# Altium PCB touch-2ch-v4.PcbDoc (part 1 of 8)
Units mm, origin at the board's own origin, x right, y up, seen from the top; angles counter-clockwise.
Board outline 39.88 x 84.36 mm, 2 copper layers (Top Layer, Bottom Layer); 1029 components, 40 nets, 2604 pads, 0 vias.
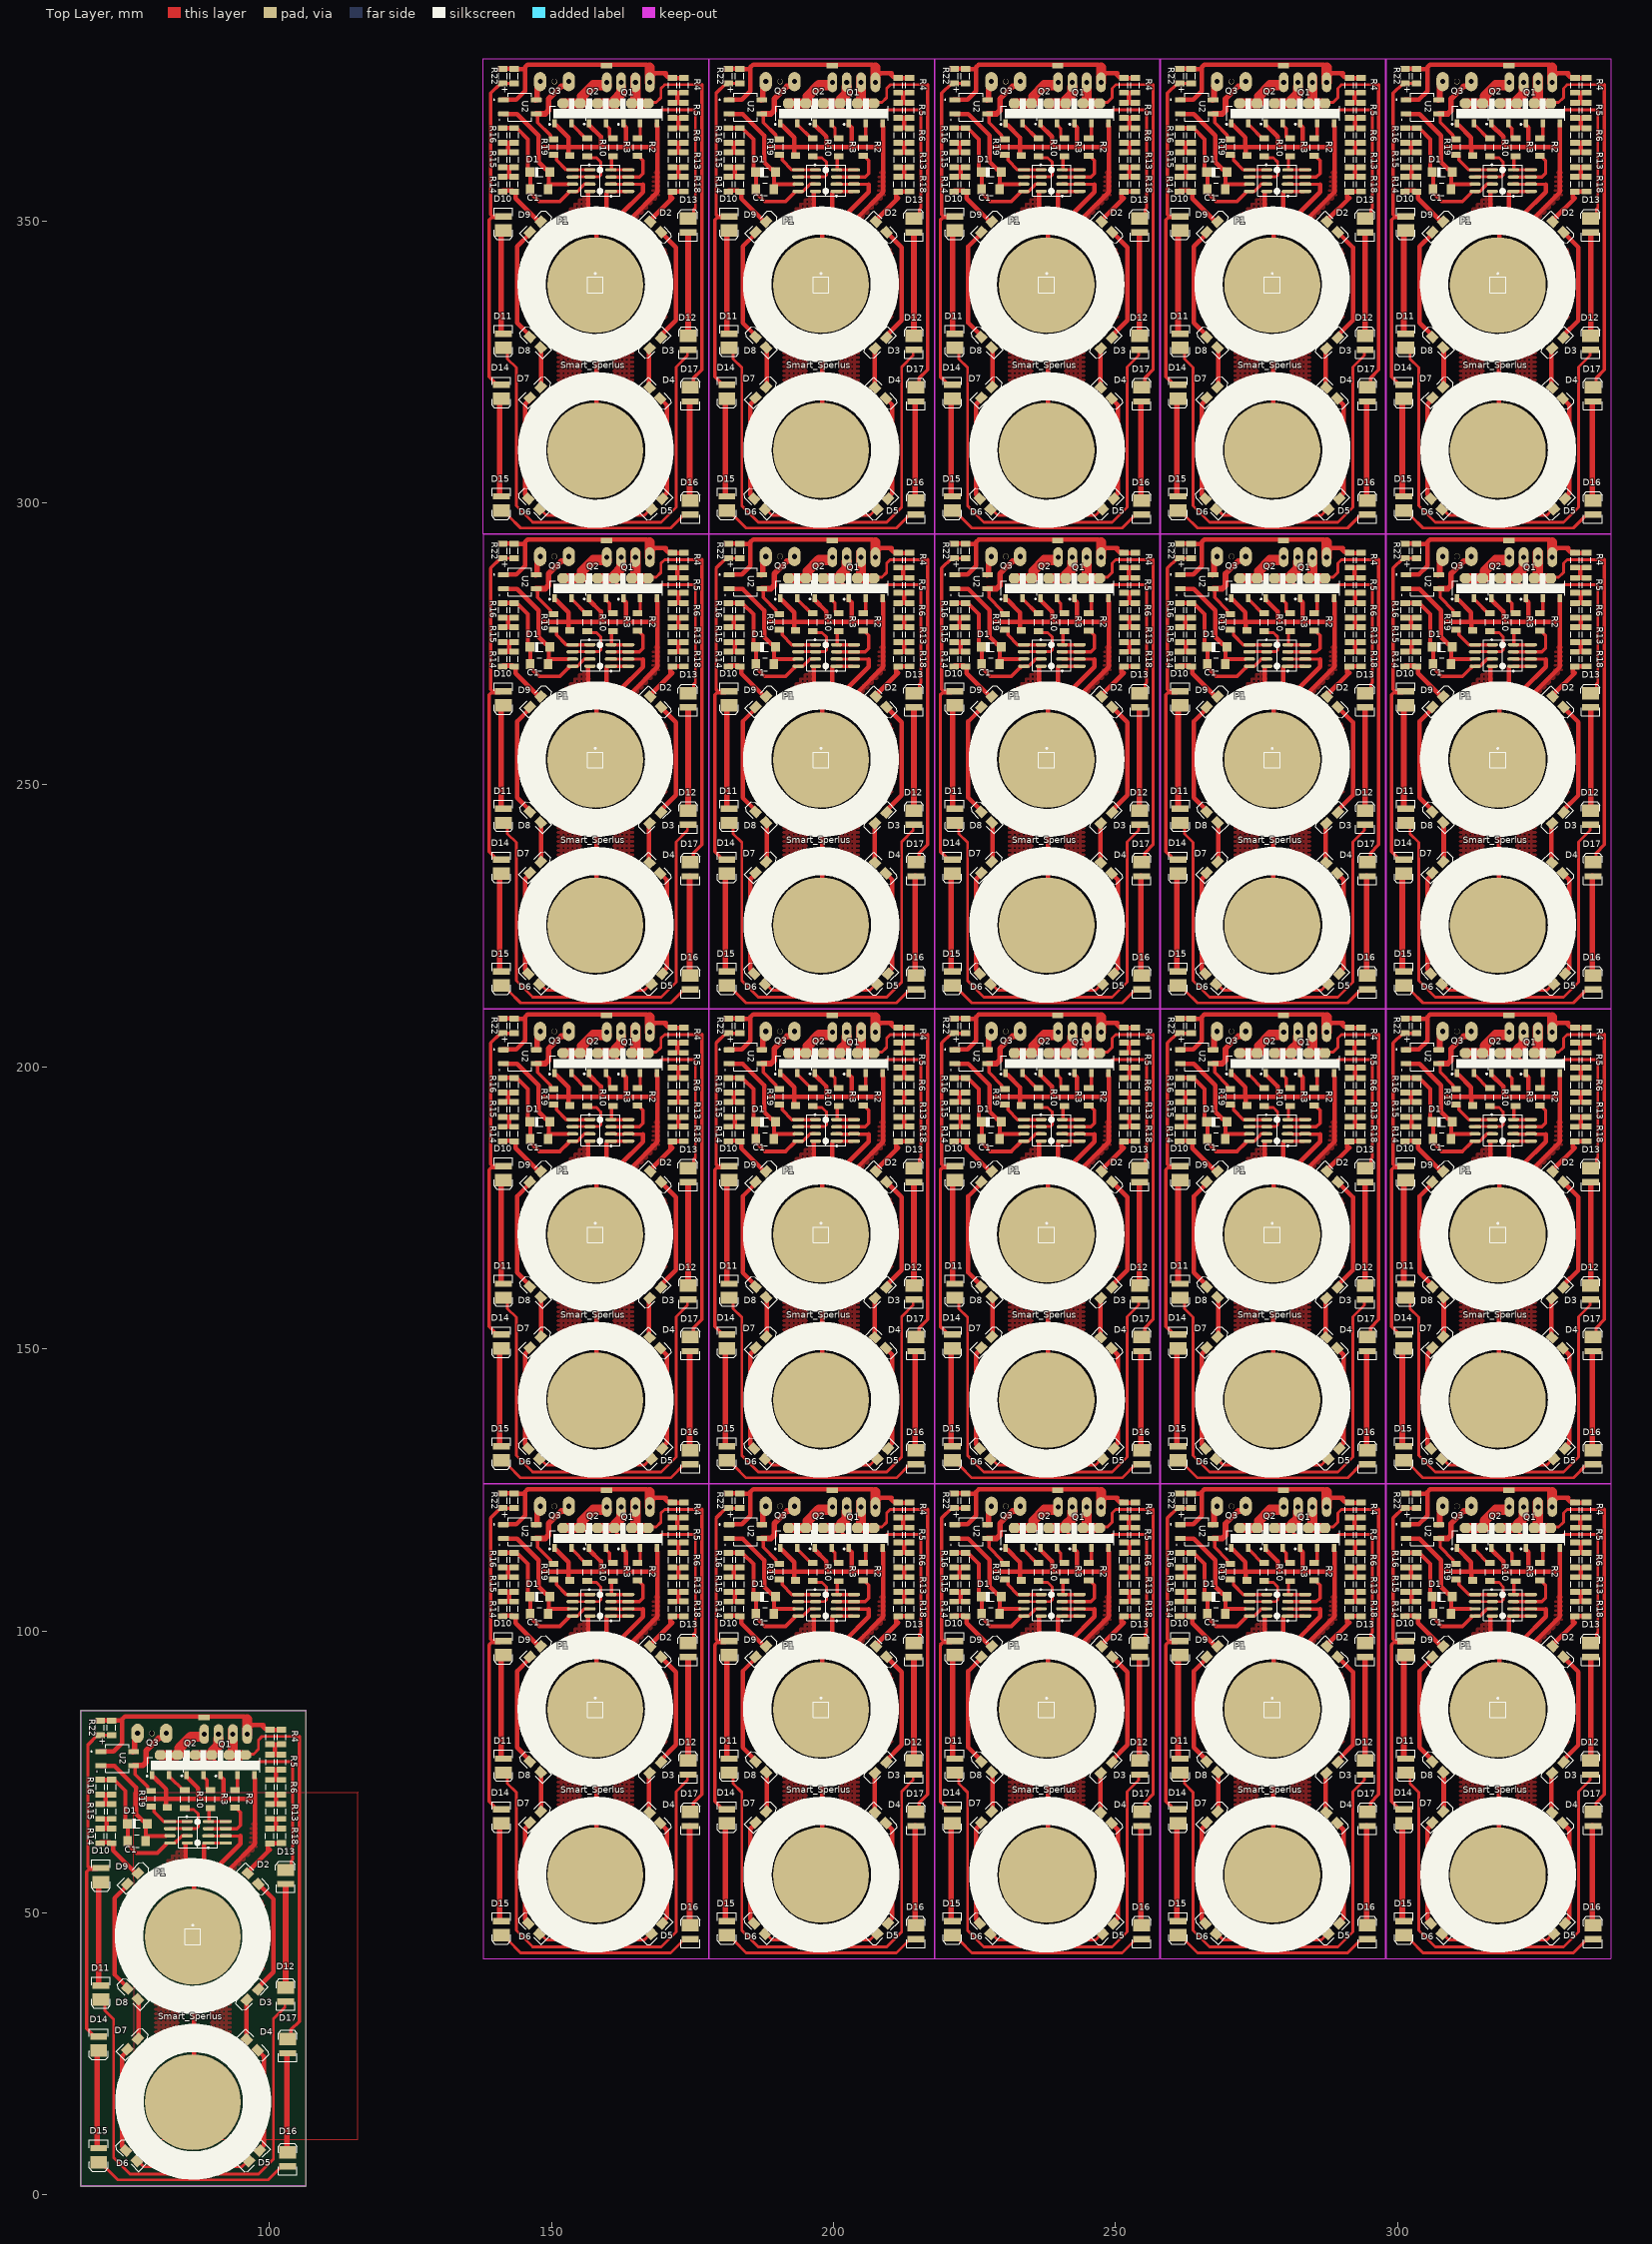
[diagram p0: Top Layer view]
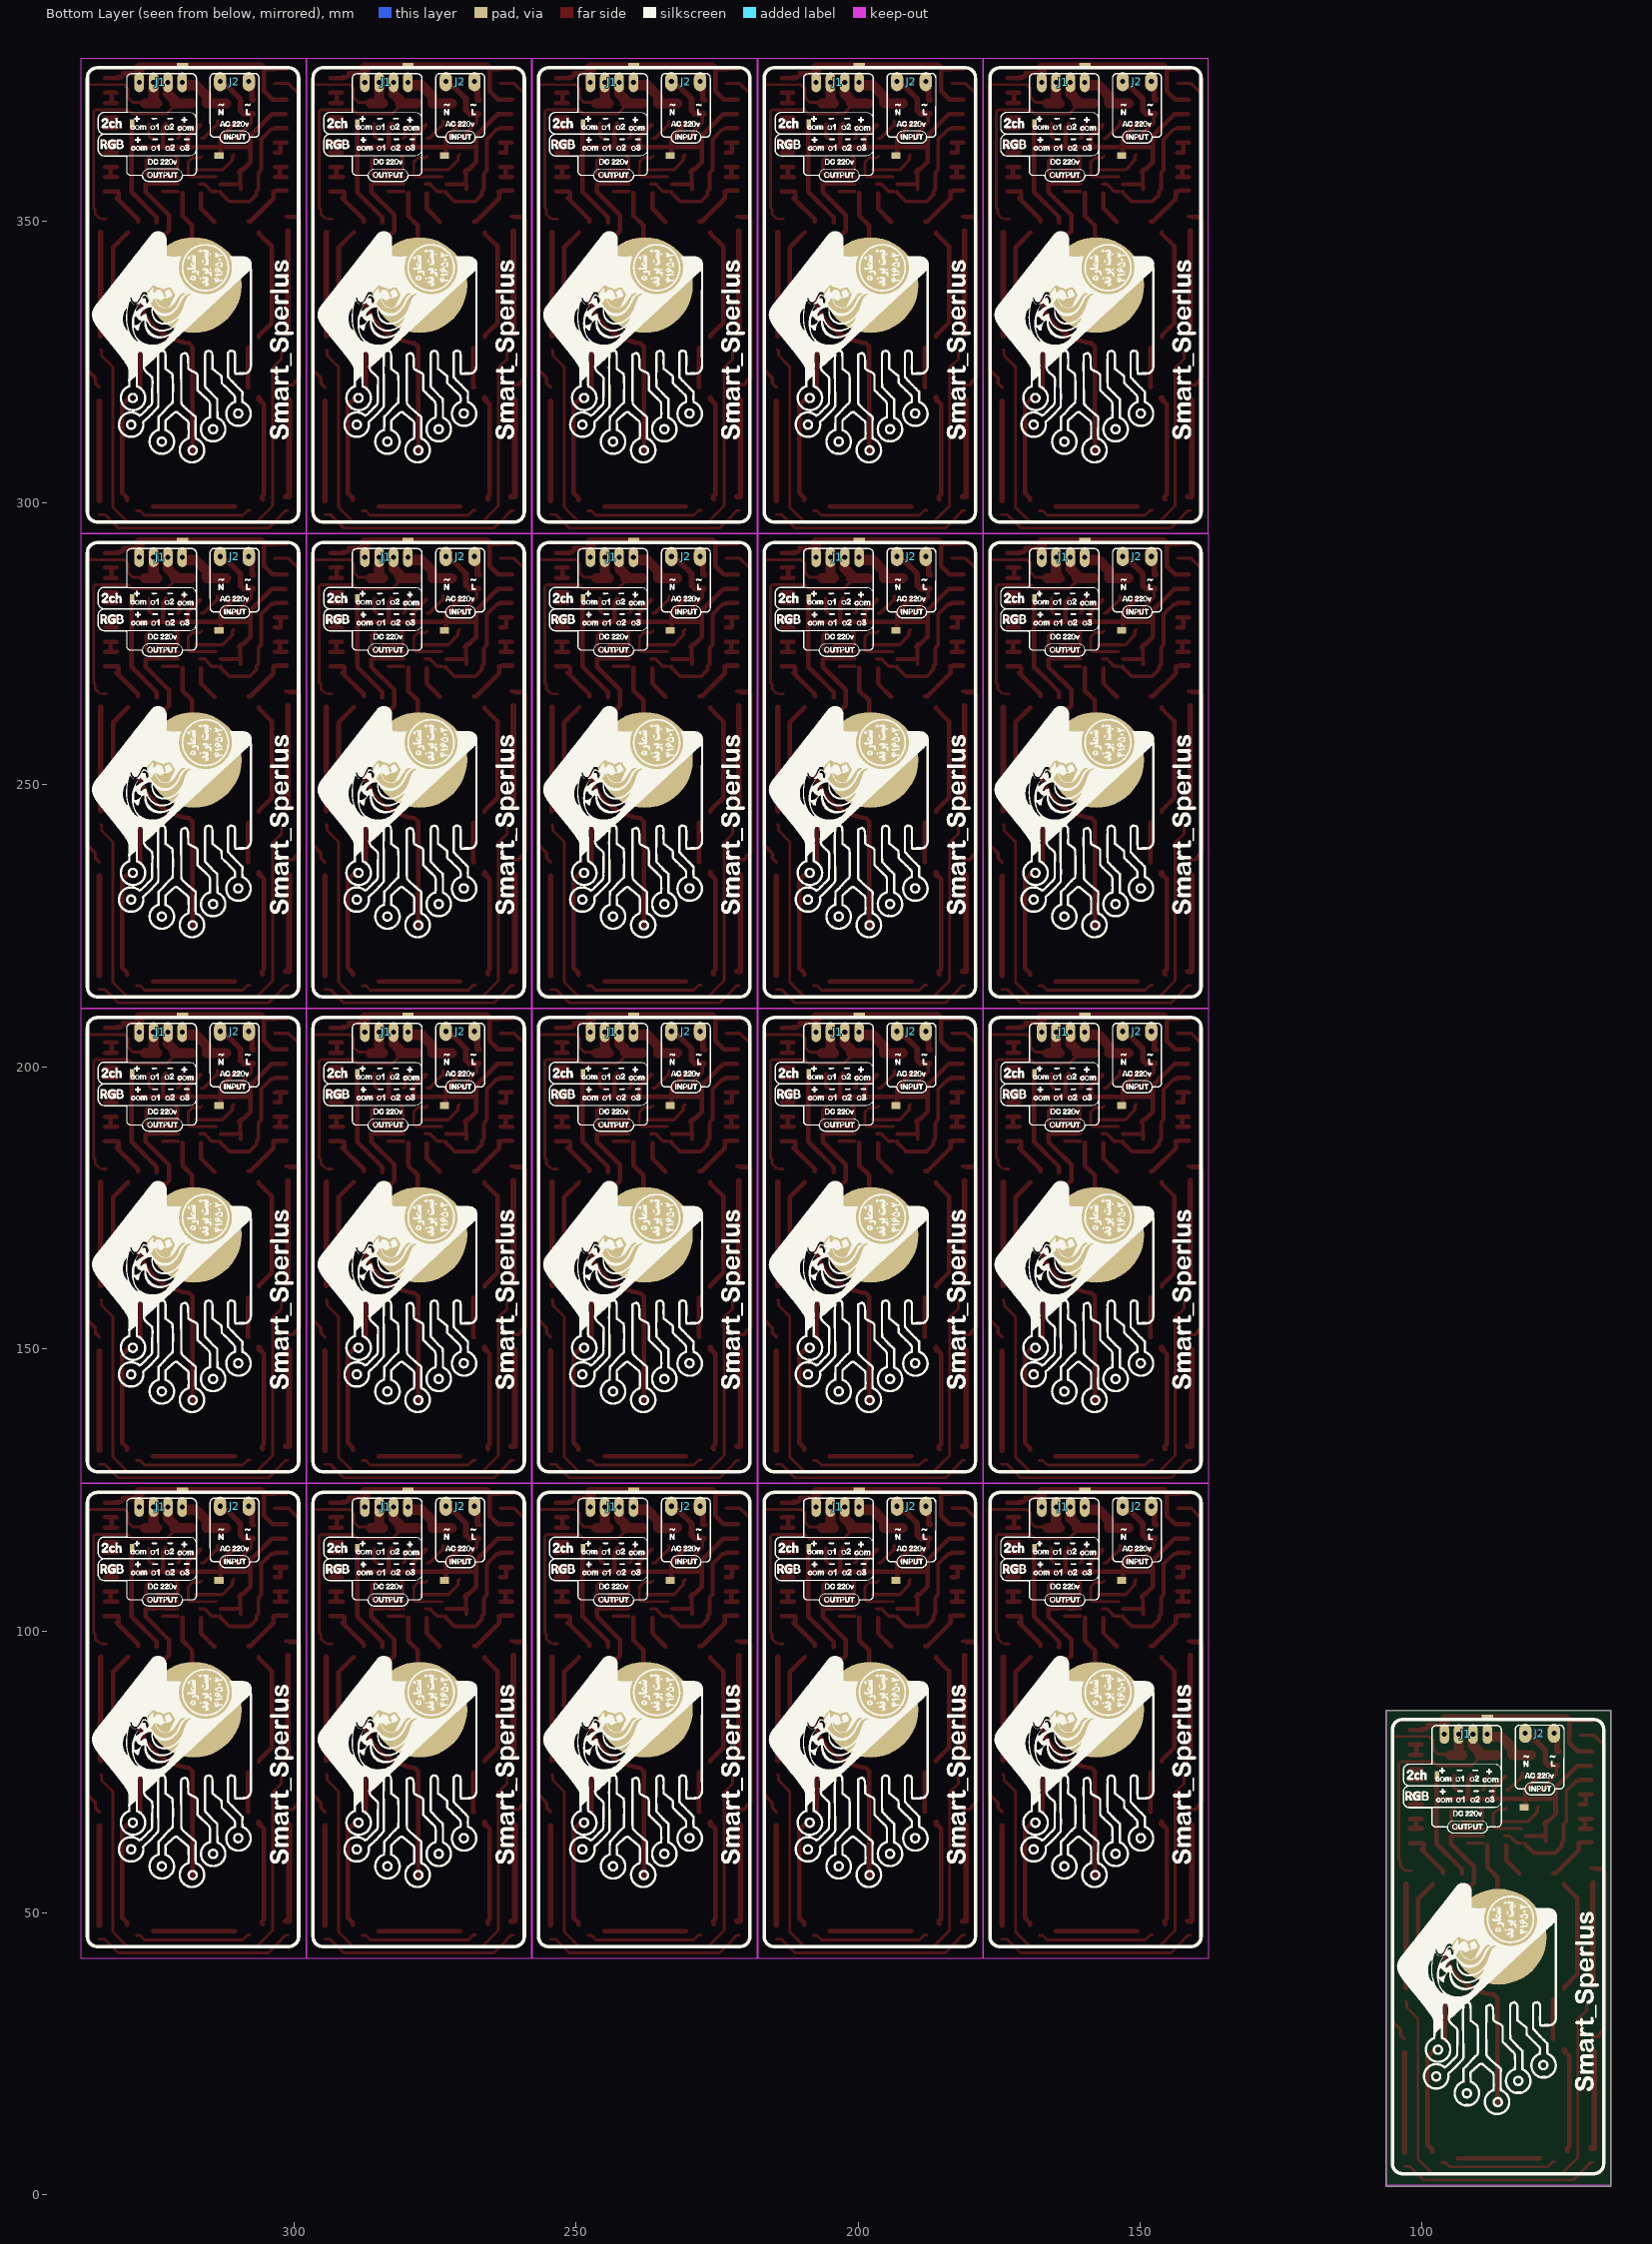
[diagram p1: Bottom Layer view, seen from below]

## Layer stack, top to bottom
Top Solder: solder mask 0.0102, Solder Resist, Dk 3.5
Top Layer: signal copper 0.0356
Dielectric 1: dielectric 0.32, FR-4, Dk 4.8
Bottom Layer: signal copper 0.0356
Bottom Solder: solder mask 0.0102, Solder Resist, Dk 3.5

## Board outline
66.548,1.524 66.548,85.884 106.426,85.884 106.426,1.524

## Design rules (kind name [scope] priority, off if disabled: settings)
Clearance Clearance_1 [InPolygon] p1: gap=1 ignorepadtopadclearanceinfootprint=FALSE
Clearance [All] p2: gap=0.4 ignorepadtopadclearanceinfootprint=FALSE
PolygonConnect [All] p1: connectstyle=Relief reliefconductorwidth=0.254 reliefentries=4 polygonreliefangle="90 Angle" airgapwidth=0.254
RoomDefinition touch-2ch-v4 [InComponentClass('touch-2ch-v4')] p1: confinementstyle=ConfineIn formatcopy=TRUE lockcomponents=FALSE outline 116.078,-4.953 247.904,-4.953 247.904,23.114 116.078,23.114
RoutingLayers [All] p1: top layer_v5=FALSE bottom layer_v5=TRUE
RoutingVias [All] p1: holewidth=0.711 width=2.5 viastyle="Through Hole" minholewidth=0.711 minwidth=1.27 maxholewidth=0.711 maxwidth=2
SolderMaskExpansion [All] p1: expansion=0.102 istentingtop=FALSE
SupplyNets "Schematic Supply Nets" [InNet('GND')] p1: voltage=0.000
Width [All] p1: maxlimit=3 minlimit=0.4 preferedwidth=1
29 further rules are at their usual default settings.

## Classes and differential pairs
component class touch-2ch-v4: D21 D22 D23 J5 J8 JP? P5 P7 U17

## Components (designator, comment, footprint, x,y, rotation, side; value= is the part's Value field where it differs from the comment)
C1 "=Value" "CAP 1206" 147.955,358.645 r0 top
C1 "=Value" "CAP 1206" 187.955,358.645 r0 top
C1 "=Value" "CAP 1206" 227.955,358.645 r0 top
C1 "=Value" "CAP 1206" 267.955,358.645 r0 top
C1 "=Value" "CAP 1206" 307.955,358.645 r0 top
C1 "=Value" "CAP 1206" 147.955,274.445 r0 top
C1 "=Value" "CAP 1206" 187.955,274.445 r0 top
C1 "=Value" "CAP 1206" 227.955,274.445 r0 top
C1 "=Value" "CAP 1206" 267.955,274.445 r0 top
C1 "=Value" "CAP 1206" 307.955,274.445 r0 top
C1 "=Value" "CAP 1206" 147.955,190.245 r0 top
C1 "=Value" "CAP 1206" 187.955,190.245 r0 top
C1 "=Value" "CAP 1206" 227.955,190.245 r0 top
C1 "=Value" "CAP 1206" 267.955,190.245 r0 top
C1 "=Value" "CAP 1206" 307.955,190.245 r0 top
C1 "=Value" "CAP 1206" 147.955,106.045 r0 top
C1 "=Value" "CAP 1206" 187.955,106.045 r0 top
C1 "=Value" "CAP 1206" 227.955,106.045 r0 top
C1 "=Value" "CAP 1206" 267.955,106.045 r0 top
C1 "=Value" "CAP 1206" 307.955,106.045 r0 top
C1 "=Value" "CAP 1206" 76.581,65.786 r0 top
D1 "Diode" C1206 148.082,355.597 r180 top
D1 "Diode" C1206 188.082,355.597 r180 top
D1 "Diode" C1206 228.082,355.597 r180 top
D1 "Diode" C1206 268.082,355.597 r180 top
D1 "Diode" C1206 308.082,355.597 r180 top
D1 "Diode" C1206 148.082,271.397 r180 top
D1 "Diode" C1206 188.082,271.397 r180 top
D1 "Diode" C1206 228.082,271.397 r180 top
D1 "Diode" C1206 268.082,271.397 r180 top
D1 "Diode" C1206 308.082,271.397 r180 top
D1 "Diode" C1206 148.082,187.197 r180 top
D1 "Diode" C1206 188.082,187.197 r180 top
D1 "Diode" C1206 228.082,187.197 r180 top
D1 "Diode" C1206 268.082,187.197 r180 top
D1 "Diode" C1206 308.082,187.197 r180 top
D1 "Diode" C1206 148.082,102.997 r180 top
D1 "Diode" C1206 188.082,102.997 r180 top
D1 "Diode" C1206 228.082,102.997 r180 top
D1 "Diode" C1206 268.082,102.997 r180 top
D1 "Diode" C1206 308.082,102.997 r180 top
D1 "Diode" C1206 76.708,62.738 r180 top
D2 "LED2" 3.2X1.6X1.1#1 168.402,348.866 r315 top
D2 "LED2" 3.2X1.6X1.1#1 208.402,348.866 r315 top
D2 "LED2" 3.2X1.6X1.1#1 248.402,348.866 r315 top
D2 "LED2" 3.2X1.6X1.1#1 288.402,348.866 r315 top
D2 "LED2" 3.2X1.6X1.1#1 328.402,348.866 r315 top
D2 "LED2" 3.2X1.6X1.1#1 168.402,264.666 r315 top
D2 "LED2" 3.2X1.6X1.1#1 208.402,264.666 r315 top
D2 "LED2" 3.2X1.6X1.1#1 248.402,264.666 r315 top
D2 "LED2" 3.2X1.6X1.1#1 288.402,264.666 r315 top
D2 "LED2" 3.2X1.6X1.1#1 328.402,264.666 r315 top
D2 "LED2" 3.2X1.6X1.1#1 168.402,180.466 r315 top
D2 "LED2" 3.2X1.6X1.1#1 208.402,180.466 r315 top
D2 "LED2" 3.2X1.6X1.1#1 248.402,180.466 r315 top
D2 "LED2" 3.2X1.6X1.1#1 288.402,180.466 r315 top
D2 "LED2" 3.2X1.6X1.1#1 328.402,180.466 r315 top
D2 "LED2" 3.2X1.6X1.1#1 168.402,96.266 r315 top
D2 "LED2" 3.2X1.6X1.1#1 208.402,96.266 r315 top
D2 "LED2" 3.2X1.6X1.1#1 248.402,96.266 r315 top
D2 "LED2" 3.2X1.6X1.1#1 288.402,96.266 r315 top
D2 "LED2" 3.2X1.6X1.1#1 328.402,96.266 r315 top
D2 "LED2" 3.2X1.6X1.1#1 97.028,56.007 r315 top
D3 "LED2" 3.2X1.6X1.1#2 168.275,328.419 r225 top
D3 "LED2" 3.2X1.6X1.1#2 208.275,328.419 r225 top
D3 "LED2" 3.2X1.6X1.1#2 248.275,328.419 r225 top
D3 "LED2" 3.2X1.6X1.1#2 288.275,328.419 r225 top
D3 "LED2" 3.2X1.6X1.1#2 328.275,328.419 r225 top
D3 "LED2" 3.2X1.6X1.1#2 168.275,244.219 r225 top
D3 "LED2" 3.2X1.6X1.1#2 208.275,244.219 r225 top
D3 "LED2" 3.2X1.6X1.1#2 248.275,244.219 r225 top
D3 "LED2" 3.2X1.6X1.1#2 288.275,244.219 r225 top
D3 "LED2" 3.2X1.6X1.1#2 328.275,244.219 r225 top
D3 "LED2" 3.2X1.6X1.1#2 168.275,160.019 r225 top
D3 "LED2" 3.2X1.6X1.1#2 208.275,160.019 r225 top
D3 "LED2" 3.2X1.6X1.1#2 248.275,160.019 r225 top
D3 "LED2" 3.2X1.6X1.1#2 288.275,160.019 r225 top
D3 "LED2" 3.2X1.6X1.1#2 328.275,160.019 r225 top
D3 "LED2" 3.2X1.6X1.1#2 168.275,75.819 r225 top
D3 "LED2" 3.2X1.6X1.1#2 208.275,75.819 r225 top
D3 "LED2" 3.2X1.6X1.1#2 248.275,75.819 r225 top
D3 "LED2" 3.2X1.6X1.1#2 288.275,75.819 r225 top
D3 "LED2" 3.2X1.6X1.1#2 328.275,75.819 r225 top
D3 "LED2" 3.2X1.6X1.1#2 96.901,35.56 r225 top
D4 "LED2" 3.2X1.6X1.1#3 168.402,319.402 r315 top
D4 "LED2" 3.2X1.6X1.1#3 208.402,319.402 r315 top
D4 "LED2" 3.2X1.6X1.1#3 248.402,319.402 r315 top
D4 "LED2" 3.2X1.6X1.1#3 288.402,319.402 r315 top
D4 "LED2" 3.2X1.6X1.1#3 328.402,319.402 r315 top
D4 "LED2" 3.2X1.6X1.1#3 168.402,235.202 r315 top
D4 "LED2" 3.2X1.6X1.1#3 208.402,235.202 r315 top
D4 "LED2" 3.2X1.6X1.1#3 248.402,235.202 r315 top
D4 "LED2" 3.2X1.6X1.1#3 288.402,235.202 r315 top
D4 "LED2" 3.2X1.6X1.1#3 328.402,235.202 r315 top
D4 "LED2" 3.2X1.6X1.1#3 168.402,151.002 r315 top
D4 "LED2" 3.2X1.6X1.1#3 208.402,151.002 r315 top
D4 "LED2" 3.2X1.6X1.1#3 248.402,151.002 r315 top
D4 "LED2" 3.2X1.6X1.1#3 288.402,151.002 r315 top
D4 "LED2" 3.2X1.6X1.1#3 328.402,151.002 r315 top
D4 "LED2" 3.2X1.6X1.1#3 168.402,66.802 r315 top
D4 "LED2" 3.2X1.6X1.1#3 208.402,66.802 r315 top
D4 "LED2" 3.2X1.6X1.1#3 248.402,66.802 r315 top
D4 "LED2" 3.2X1.6X1.1#3 288.402,66.802 r315 top
D4 "LED2" 3.2X1.6X1.1#3 328.402,66.802 r315 top
D4 "LED2" 3.2X1.6X1.1#3 97.028,26.543 r315 top
D5 "LED2" 3.2X1.6X1.1#3 168.656,299.717 r225 top
D5 "LED2" 3.2X1.6X1.1#3 208.656,299.717 r225 top
D5 "LED2" 3.2X1.6X1.1#3 248.656,299.717 r225 top
D5 "LED2" 3.2X1.6X1.1#3 288.656,299.717 r225 top
D5 "LED2" 3.2X1.6X1.1#3 328.656,299.717 r225 top
D5 "LED2" 3.2X1.6X1.1#3 168.656,215.517 r225 top
D5 "LED2" 3.2X1.6X1.1#3 208.656,215.517 r225 top
D5 "LED2" 3.2X1.6X1.1#3 248.656,215.517 r225 top
D5 "LED2" 3.2X1.6X1.1#3 288.656,215.517 r225 top
D5 "LED2" 3.2X1.6X1.1#3 328.656,215.517 r225 top
D5 "LED2" 3.2X1.6X1.1#3 168.656,131.317 r225 top
D5 "LED2" 3.2X1.6X1.1#3 208.656,131.317 r225 top
D5 "LED2" 3.2X1.6X1.1#3 248.656,131.317 r225 top
D5 "LED2" 3.2X1.6X1.1#3 288.656,131.317 r225 top
D5 "LED2" 3.2X1.6X1.1#3 328.656,131.317 r225 top
D5 "LED2" 3.2X1.6X1.1#3 168.656,47.117 r225 top
D5 "LED2" 3.2X1.6X1.1#3 208.656,47.117 r225 top
D5 "LED2" 3.2X1.6X1.1#3 248.656,47.117 r225 top
D5 "LED2" 3.2X1.6X1.1#3 288.656,47.117 r225 top
D5 "LED2" 3.2X1.6X1.1#3 328.656,47.117 r225 top
D5 "LED2" 3.2X1.6X1.1#3 97.282,6.858 r225 top
D6 "LED2" 3.2X1.6X1.1#1 146.939,299.844 r135 top
D6 "LED2" 3.2X1.6X1.1#1 186.939,299.844 r135 top
D6 "LED2" 3.2X1.6X1.1#1 226.939,299.844 r135 top
D6 "LED2" 3.2X1.6X1.1#1 266.939,299.844 r135 top
D6 "LED2" 3.2X1.6X1.1#1 306.939,299.844 r135 top
D6 "LED2" 3.2X1.6X1.1#1 146.939,215.644 r135 top
D6 "LED2" 3.2X1.6X1.1#1 186.939,215.644 r135 top
D6 "LED2" 3.2X1.6X1.1#1 226.939,215.644 r135 top
D6 "LED2" 3.2X1.6X1.1#1 266.939,215.644 r135 top
D6 "LED2" 3.2X1.6X1.1#1 306.939,215.644 r135 top
D6 "LED2" 3.2X1.6X1.1#1 146.939,131.444 r135 top
D6 "LED2" 3.2X1.6X1.1#1 186.939,131.444 r135 top
D6 "LED2" 3.2X1.6X1.1#1 226.939,131.444 r135 top
D6 "LED2" 3.2X1.6X1.1#1 266.939,131.444 r135 top
D6 "LED2" 3.2X1.6X1.1#1 306.939,131.444 r135 top
D6 "LED2" 3.2X1.6X1.1#1 146.939,47.244 r135 top
D6 "LED2" 3.2X1.6X1.1#1 186.939,47.244 r135 top
D6 "LED2" 3.2X1.6X1.1#1 226.939,47.244 r135 top
D6 "LED2" 3.2X1.6X1.1#1 266.939,47.244 r135 top
D6 "LED2" 3.2X1.6X1.1#1 306.939,47.244 r135 top
D6 "LED2" 3.2X1.6X1.1#1 75.565,6.985 r135 top
D7 "LED2" 3.2X1.6X1.1#4 147.066,319.529 r45 top
D7 "LED2" 3.2X1.6X1.1#4 187.066,319.529 r45 top
D7 "LED2" 3.2X1.6X1.1#4 227.066,319.529 r45 top
D7 "LED2" 3.2X1.6X1.1#4 267.066,319.529 r45 top
D7 "LED2" 3.2X1.6X1.1#4 307.066,319.529 r45 top
D7 "LED2" 3.2X1.6X1.1#4 147.066,235.329 r45 top
D7 "LED2" 3.2X1.6X1.1#4 187.066,235.329 r45 top
D7 "LED2" 3.2X1.6X1.1#4 227.066,235.329 r45 top
D7 "LED2" 3.2X1.6X1.1#4 267.066,235.329 r45 top
D7 "LED2" 3.2X1.6X1.1#4 307.066,235.329 r45 top
D7 "LED2" 3.2X1.6X1.1#4 147.066,151.129 r45 top
D7 "LED2" 3.2X1.6X1.1#4 187.066,151.129 r45 top
D7 "LED2" 3.2X1.6X1.1#4 227.066,151.129 r45 top
D7 "LED2" 3.2X1.6X1.1#4 267.066,151.129 r45 top
D7 "LED2" 3.2X1.6X1.1#4 307.066,151.129 r45 top
D7 "LED2" 3.2X1.6X1.1#4 147.066,66.929 r45 top
D7 "LED2" 3.2X1.6X1.1#4 187.066,66.929 r45 top
D7 "LED2" 3.2X1.6X1.1#4 227.066,66.929 r45 top
D7 "LED2" 3.2X1.6X1.1#4 267.066,66.929 r45 top
D7 "LED2" 3.2X1.6X1.1#4 307.066,66.929 r45 top
D7 "LED2" 3.2X1.6X1.1#4 75.692,26.67 r45 top
D8 "LED2" 3.2X1.6X1.1#4 147.193,328.419 r135 top
D8 "LED2" 3.2X1.6X1.1#4 187.193,328.419 r135 top
D8 "LED2" 3.2X1.6X1.1#4 227.193,328.419 r135 top
D8 "LED2" 3.2X1.6X1.1#4 267.193,328.419 r135 top
D8 "LED2" 3.2X1.6X1.1#4 307.193,328.419 r135 top
D8 "LED2" 3.2X1.6X1.1#4 147.193,244.219 r135 top
D8 "LED2" 3.2X1.6X1.1#4 187.193,244.219 r135 top
D8 "LED2" 3.2X1.6X1.1#4 227.193,244.219 r135 top
D8 "LED2" 3.2X1.6X1.1#4 267.193,244.219 r135 top
D8 "LED2" 3.2X1.6X1.1#4 307.193,244.219 r135 top
D8 "LED2" 3.2X1.6X1.1#4 147.193,160.019 r135 top
D8 "LED2" 3.2X1.6X1.1#4 187.193,160.019 r135 top
D8 "LED2" 3.2X1.6X1.1#4 227.193,160.019 r135 top
D8 "LED2" 3.2X1.6X1.1#4 267.193,160.019 r135 top
D8 "LED2" 3.2X1.6X1.1#4 307.193,160.019 r135 top
D8 "LED2" 3.2X1.6X1.1#4 147.193,75.819 r135 top
D8 "LED2" 3.2X1.6X1.1#4 187.193,75.819 r135 top
D8 "LED2" 3.2X1.6X1.1#4 227.193,75.819 r135 top
D8 "LED2" 3.2X1.6X1.1#4 267.193,75.819 r135 top
D8 "LED2" 3.2X1.6X1.1#4 307.193,75.819 r135 top
D8 "LED2" 3.2X1.6X1.1#4 75.819,35.56 r135 top
D9 "LED2" 3.2X1.6X1.1#3 147.193,348.993 r45 top
D9 "LED2" 3.2X1.6X1.1#3 187.193,348.993 r45 top
D9 "LED2" 3.2X1.6X1.1#3 227.193,348.993 r45 top
D9 "LED2" 3.2X1.6X1.1#3 267.193,348.993 r45 top
D9 "LED2" 3.2X1.6X1.1#3 307.193,348.993 r45 top
D9 "LED2" 3.2X1.6X1.1#3 147.193,264.793 r45 top
D9 "LED2" 3.2X1.6X1.1#3 187.193,264.793 r45 top
D9 "LED2" 3.2X1.6X1.1#3 227.193,264.793 r45 top
D9 "LED2" 3.2X1.6X1.1#3 267.193,264.793 r45 top
D9 "LED2" 3.2X1.6X1.1#3 307.193,264.793 r45 top
D9 "LED2" 3.2X1.6X1.1#3 147.193,180.593 r45 top
D9 "LED2" 3.2X1.6X1.1#3 187.193,180.593 r45 top
D9 "LED2" 3.2X1.6X1.1#3 227.193,180.593 r45 top
D9 "LED2" 3.2X1.6X1.1#3 267.193,180.593 r45 top
D9 "LED2" 3.2X1.6X1.1#3 307.193,180.593 r45 top
D9 "LED2" 3.2X1.6X1.1#3 147.193,96.393 r45 top
D9 "LED2" 3.2X1.6X1.1#3 187.193,96.393 r45 top
D9 "LED2" 3.2X1.6X1.1#3 227.193,96.393 r45 top
D9 "LED2" 3.2X1.6X1.1#3 267.193,96.393 r45 top
D9 "LED2" 3.2X1.6X1.1#3 307.193,96.393 r45 top
D9 "LED2" 3.2X1.6X1.1#3 75.819,56.134 r45 top
D10 "LED2" 3.2X1.6X1.1#5 141.478,349.374 r270 top
D10 "LED2" 3.2X1.6X1.1#5 181.478,349.374 r270 top
D10 "LED2" 3.2X1.6X1.1#5 221.478,349.374 r270 top
D10 "LED2" 3.2X1.6X1.1#5 261.478,349.374 r270 top
D10 "LED2" 3.2X1.6X1.1#5 301.478,349.374 r270 top
D10 "LED2" 3.2X1.6X1.1#5 141.478,265.174 r270 top
D10 "LED2" 3.2X1.6X1.1#5 181.478,265.174 r270 top
D10 "LED2" 3.2X1.6X1.1#5 221.478,265.174 r270 top
D10 "LED2" 3.2X1.6X1.1#5 261.478,265.174 r270 top
D10 "LED2" 3.2X1.6X1.1#5 301.478,265.174 r270 top
D10 "LED2" 3.2X1.6X1.1#5 141.478,180.974 r270 top
D10 "LED2" 3.2X1.6X1.1#5 181.478,180.974 r270 top
D10 "LED2" 3.2X1.6X1.1#5 221.478,180.974 r270 top
D10 "LED2" 3.2X1.6X1.1#5 261.478,180.974 r270 top
D10 "LED2" 3.2X1.6X1.1#5 301.478,180.974 r270 top
D10 "LED2" 3.2X1.6X1.1#5 141.478,96.774 r270 top
D10 "LED2" 3.2X1.6X1.1#5 181.478,96.774 r270 top
D10 "LED2" 3.2X1.6X1.1#5 221.478,96.774 r270 top
D10 "LED2" 3.2X1.6X1.1#5 261.478,96.774 r270 top
D10 "LED2" 3.2X1.6X1.1#5 301.478,96.774 r270 top
D10 "LED2" 3.2X1.6X1.1#5 70.104,56.515 r270 top
D11 "LED2" 3.2X1.6X1.1#5 141.478,328.546 r270 top
D11 "LED2" 3.2X1.6X1.1#5 181.478,328.546 r270 top
D11 "LED2" 3.2X1.6X1.1#5 221.478,328.546 r270 top
D11 "LED2" 3.2X1.6X1.1#5 261.478,328.546 r270 top
D11 "LED2" 3.2X1.6X1.1#5 301.478,328.546 r270 top
D11 "LED2" 3.2X1.6X1.1#5 141.478,244.346 r270 top
D11 "LED2" 3.2X1.6X1.1#5 181.478,244.346 r270 top
D11 "LED2" 3.2X1.6X1.1#5 221.478,244.346 r270 top
D11 "LED2" 3.2X1.6X1.1#5 261.478,244.346 r270 top
D11 "LED2" 3.2X1.6X1.1#5 301.478,244.346 r270 top
D11 "LED2" 3.2X1.6X1.1#5 141.478,160.146 r270 top
D11 "LED2" 3.2X1.6X1.1#5 181.478,160.146 r270 top
D11 "LED2" 3.2X1.6X1.1#5 221.478,160.146 r270 top
D11 "LED2" 3.2X1.6X1.1#5 261.478,160.146 r270 top
D11 "LED2" 3.2X1.6X1.1#5 301.478,160.146 r270 top
D11 "LED2" 3.2X1.6X1.1#5 141.478,75.946 r270 top
D11 "LED2" 3.2X1.6X1.1#5 181.478,75.946 r270 top
D11 "LED2" 3.2X1.6X1.1#5 221.478,75.946 r270 top
D11 "LED2" 3.2X1.6X1.1#5 261.478,75.946 r270 top
D11 "LED2" 3.2X1.6X1.1#5 301.478,75.946 r270 top
D11 "LED2" 3.2X1.6X1.1#5 70.104,35.687 r270 top
D12 "LED2" 3.2X1.6X1.1#5 174.244,328.546 r90 top
D12 "LED2" 3.2X1.6X1.1#5 214.244,328.546 r90 top
D12 "LED2" 3.2X1.6X1.1#5 254.244,328.546 r90 top
D12 "LED2" 3.2X1.6X1.1#5 294.244,328.546 r90 top
D12 "LED2" 3.2X1.6X1.1#5 334.244,328.546 r90 top
D12 "LED2" 3.2X1.6X1.1#5 174.244,244.346 r90 top
D12 "LED2" 3.2X1.6X1.1#5 214.244,244.346 r90 top
D12 "LED2" 3.2X1.6X1.1#5 254.244,244.346 r90 top
D12 "LED2" 3.2X1.6X1.1#5 294.244,244.346 r90 top
D12 "LED2" 3.2X1.6X1.1#5 334.244,244.346 r90 top
D12 "LED2" 3.2X1.6X1.1#5 174.244,160.146 r90 top
D12 "LED2" 3.2X1.6X1.1#5 214.244,160.146 r90 top
D12 "LED2" 3.2X1.6X1.1#5 254.244,160.146 r90 top
D12 "LED2" 3.2X1.6X1.1#5 294.244,160.146 r90 top
D12 "LED2" 3.2X1.6X1.1#5 334.244,160.146 r90 top
D12 "LED2" 3.2X1.6X1.1#5 174.244,75.946 r90 top
D12 "LED2" 3.2X1.6X1.1#5 214.244,75.946 r90 top
D12 "LED2" 3.2X1.6X1.1#5 254.244,75.946 r90 top
D12 "LED2" 3.2X1.6X1.1#5 294.244,75.946 r90 top
D12 "LED2" 3.2X1.6X1.1#5 334.244,75.946 r90 top
D12 "LED2" 3.2X1.6X1.1#5 102.87,35.687 r90 top
D13 "LED2" 3.2X1.6X1.1#5 174.244,349.374 r90 top
D13 "LED2" 3.2X1.6X1.1#5 214.244,349.374 r90 top
D13 "LED2" 3.2X1.6X1.1#5 254.244,349.374 r90 top
D13 "LED2" 3.2X1.6X1.1#5 294.244,349.374 r90 top
D13 "LED2" 3.2X1.6X1.1#5 334.244,349.374 r90 top
D13 "LED2" 3.2X1.6X1.1#5 174.244,265.174 r90 top
D13 "LED2" 3.2X1.6X1.1#5 214.244,265.174 r90 top
D13 "LED2" 3.2X1.6X1.1#5 254.244,265.174 r90 top
D13 "LED2" 3.2X1.6X1.1#5 294.244,265.174 r90 top
D13 "LED2" 3.2X1.6X1.1#5 334.244,265.174 r90 top
D13 "LED2" 3.2X1.6X1.1#5 174.244,180.974 r90 top
D13 "LED2" 3.2X1.6X1.1#5 214.244,180.974 r90 top
D13 "LED2" 3.2X1.6X1.1#5 254.244,180.974 r90 top
D13 "LED2" 3.2X1.6X1.1#5 294.244,180.974 r90 top
D13 "LED2" 3.2X1.6X1.1#5 334.244,180.974 r90 top
D13 "LED2" 3.2X1.6X1.1#5 174.244,96.774 r90 top
D13 "LED2" 3.2X1.6X1.1#5 214.244,96.774 r90 top
D13 "LED2" 3.2X1.6X1.1#5 254.244,96.774 r90 top
D13 "LED2" 3.2X1.6X1.1#5 294.244,96.774 r90 top
D13 "LED2" 3.2X1.6X1.1#5 334.244,96.774 r90 top
D13 "LED2" 3.2X1.6X1.1#5 102.87,56.515 r90 top
D14 "LED2" 3.2X1.6X1.1#6 141.097,319.402 r270 top
D14 "LED2" 3.2X1.6X1.1#6 181.097,319.402 r270 top
D14 "LED2" 3.2X1.6X1.1#6 221.097,319.402 r270 top
D14 "LED2" 3.2X1.6X1.1#6 261.097,319.402 r270 top
D14 "LED2" 3.2X1.6X1.1#6 301.097,319.402 r270 top
D14 "LED2" 3.2X1.6X1.1#6 141.097,235.202 r270 top
D14 "LED2" 3.2X1.6X1.1#6 181.097,235.202 r270 top
D14 "LED2" 3.2X1.6X1.1#6 221.097,235.202 r270 top
D14 "LED2" 3.2X1.6X1.1#6 261.097,235.202 r270 top
D14 "LED2" 3.2X1.6X1.1#6 301.097,235.202 r270 top
D14 "LED2" 3.2X1.6X1.1#6 141.097,151.002 r270 top
D14 "LED2" 3.2X1.6X1.1#6 181.097,151.002 r270 top
D14 "LED2" 3.2X1.6X1.1#6 221.097,151.002 r270 top
D14 "LED2" 3.2X1.6X1.1#6 261.097,151.002 r270 top
D14 "LED2" 3.2X1.6X1.1#6 301.097,151.002 r270 top
D14 "LED2" 3.2X1.6X1.1#6 141.097,66.802 r270 top
D14 "LED2" 3.2X1.6X1.1#6 181.097,66.802 r270 top
D14 "LED2" 3.2X1.6X1.1#6 221.097,66.802 r270 top
D14 "LED2" 3.2X1.6X1.1#6 261.097,66.802 r270 top
D14 "LED2" 3.2X1.6X1.1#6 301.097,66.802 r270 top
D14 "LED2" 3.2X1.6X1.1#6 69.723,26.543 r270 top
D15 "LED2" 3.2X1.6X1.1#5 141.097,299.717 r270 top
D15 "LED2" 3.2X1.6X1.1#5 181.097,299.717 r270 top
D15 "LED2" 3.2X1.6X1.1#5 221.097,299.717 r270 top
D15 "LED2" 3.2X1.6X1.1#5 261.097,299.717 r270 top
D15 "LED2" 3.2X1.6X1.1#5 301.097,299.717 r270 top
D15 "LED2" 3.2X1.6X1.1#5 141.097,215.517 r270 top
D15 "LED2" 3.2X1.6X1.1#5 181.097,215.517 r270 top
D15 "LED2" 3.2X1.6X1.1#5 221.097,215.517 r270 top
D15 "LED2" 3.2X1.6X1.1#5 261.097,215.517 r270 top
D15 "LED2" 3.2X1.6X1.1#5 301.097,215.517 r270 top
D15 "LED2" 3.2X1.6X1.1#5 141.097,131.317 r270 top
D15 "LED2" 3.2X1.6X1.1#5 181.097,131.317 r270 top
D15 "LED2" 3.2X1.6X1.1#5 221.097,131.317 r270 top
D15 "LED2" 3.2X1.6X1.1#5 261.097,131.317 r270 top
D15 "LED2" 3.2X1.6X1.1#5 301.097,131.317 r270 top